# Allegro board pc051b_toplevel_177.brd (continued)
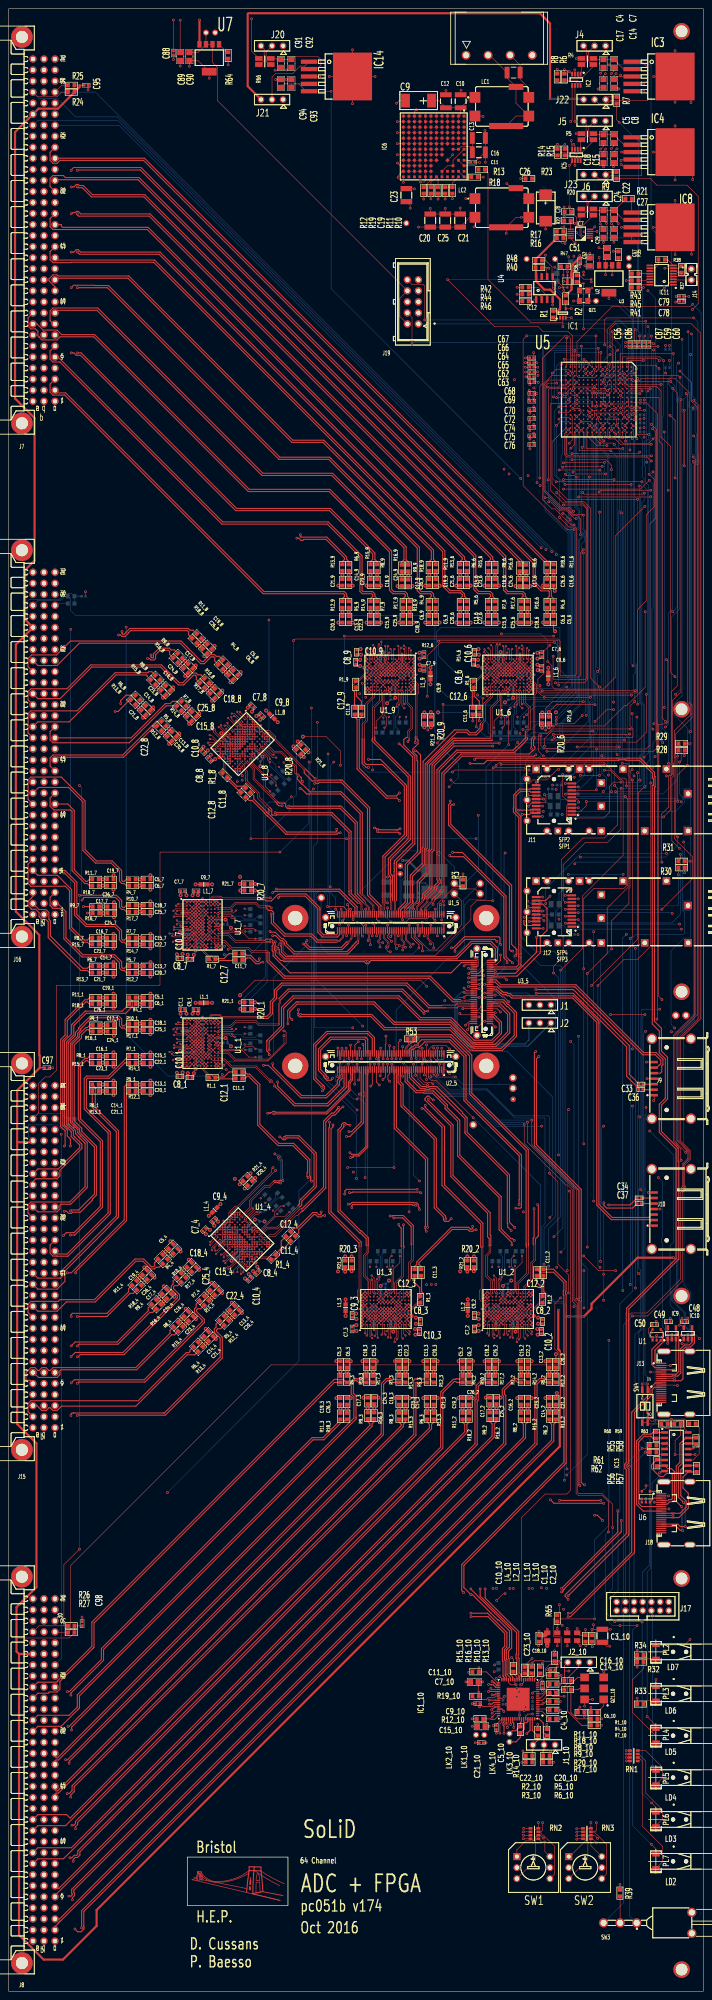
[diagram p0: board, top side]
## Nets (continued)
AIN-<2>_8: C26_8.2(B<0>) R18_8.2(B<0>) U1_8.C1(AIN2-)
AIN-<2>_9: C26_9.2(B<0>) R18_9.2(B<0>) U1_9.C1(AIN2-)
AIN-<3>_1: C25_1.2(B<0>) R17_1.2(B<0>) U1_1.E1(AIN3-)
AIN-<3>_2: C25_2.2(B<0>) R17_2.2(B<0>) U1_2.E1(AIN3-)
AIN-<3>_3: C25_3.2(B<0>) R17_3.2(B<0>) U1_3.E1(AIN3-)
AIN-<3>_4: C25_4.2(B<0>) R17_4.2(B<0>) U1_4.E1(AIN3-)
AIN-<3>_6: C25_6.2(B<0>) R17_6.2(B<0>) U1_6.E1(AIN3-)
AIN-<3>_7: C25_7.2(B<0>) R17_7.2(B<0>) U1_7.E1(AIN3-)
AIN-<3>_8: C25_8.2(B<0>) R17_8.2(B<0>) U1_8.E1(AIN3-)
AIN-<3>_9: C25_9.2(B<0>) R17_9.2(B<0>) U1_9.E1(AIN3-)
AIN-<4>_1: C24_1.2(B<0>) R16_1.2(B<0>) U1_1.G1(AIN4-)
AIN-<4>_2: C24_2.2(B<0>) R16_2.2(B<0>) U1_2.G1(AIN4-)
AIN-<4>_3: C24_3.2(B<0>) R16_3.2(B<0>) U1_3.G1(AIN4-)
AIN-<4>_4: C24_4.2(B<0>) R16_4.2(B<0>) U1_4.G1(AIN4-)
AIN-<4>_6: C24_6.2(B<0>) R16_6.2(B<0>) U1_6.G1(AIN4-)
AIN-<4>_7: C24_7.2(B<0>) R16_7.2(B<0>) U1_7.G1(AIN4-)
AIN-<4>_8: C24_8.2(B<0>) R16_8.2(B<0>) U1_8.G1(AIN4-)
AIN-<4>_9: C24_9.2(B<0>) R16_9.2(B<0>) U1_9.G1(AIN4-)
AIN-<5>_1: C23_1.2(B<0>) R15_1.2(B<0>) U1_1.H2(AIN5-)
AIN-<5>_2: C23_2.2(B<0>) R15_2.2(B<0>) U1_2.H2(AIN5-)
AIN-<5>_3: C23_3.2(B<0>) R15_3.2(B<0>) U1_3.H2(AIN5-)
AIN-<5>_4: C23_4.2(B<0>) R15_4.2(B<0>) U1_4.H2(AIN5-)
AIN-<5>_6: C23_6.2(B<0>) R15_6.2(B<0>) U1_6.H2(AIN5-)
AIN-<5>_7: C23_7.2(B<0>) R15_7.2(B<0>) U1_7.H2(AIN5-)
AIN-<5>_8: C23_8.2(B<0>) R15_8.2(B<0>) U1_8.H2(AIN5-)
AIN-<5>_9: C23_9.2(B<0>) R15_9.2(B<0>) U1_9.H2(AIN5-)
AIN-<6>_1: C22_1.2(B<0>) R14_1.2(B<0>) U1_1.K2(AIN6-)
AIN-<6>_2: C22_2.2(B<0>) R14_2.2(B<0>) U1_2.K2(AIN6-)
AIN-<6>_3: C22_3.2(B<0>) R14_3.2(B<0>) U1_3.K2(AIN6-)
AIN-<6>_4: C22_4.2(B<0>) R14_4.2(B<0>) U1_4.K2(AIN6-)
AIN-<6>_6: C22_6.2(B<0>) R14_6.2(B<0>) U1_6.K2(AIN6-)
AIN-<6>_7: C22_7.2(B<0>) R14_7.2(B<0>) U1_7.K2(AIN6-)
AIN-<6>_8: C22_8.2(B<0>) R14_8.2(B<0>) U1_8.K2(AIN6-)
AIN-<6>_9: C22_9.2(B<0>) R14_9.2(B<0>) U1_9.K2(AIN6-)
AIN-<7>_1: C21_1.2(B<0>) R13_1.2(B<0>) U1_1.M2(AIN7-)
AIN-<7>_2: C21_2.2(B<0>) R13_2.2(B<0>) U1_2.M2(AIN7-)
AIN-<7>_3: C21_3.2(B<0>) R13_3.2(B<0>) U1_3.M2(AIN7-)
AIN-<7>_4: C21_4.2(B<0>) R13_4.2(B<0>) U1_4.M2(AIN7-)
AIN-<7>_6: C21_6.2(B<0>) R13_6.2(B<0>) U1_6.M2(AIN7-)
AIN-<7>_7: C21_7.2(B<0>) R13_7.2(B<0>) U1_7.M2(AIN7-)
AIN-<7>_8: C21_8.2(B<0>) R13_8.2(B<0>) U1_8.M2(AIN7-)
AIN-<7>_9: C21_9.2(B<0>) R13_9.2(B<0>) U1_9.M2(AIN7-)
AIN-<8>_1: C20_1.2(B<0>) R12_1.2(B<0>) U1_1.N2(AIN8-)
AIN-<8>_2: C20_2.2(B<0>) R12_2.2(B<0>) U1_2.N2(AIN8-)
AIN-<8>_3: C20_3.2(B<0>) R12_3.2(B<0>) U1_3.N2(AIN8-)
AIN-<8>_4: C20_4.2(B<0>) R12_4.2(B<0>) U1_4.N2(AIN8-)
AIN-<8>_6: C20_6.2(B<0>) R12_6.2(B<0>) U1_6.N2(AIN8-)
AIN-<8>_7: C20_7.2(B<0>) R12_7.2(B<0>) U1_7.N2(AIN8-)
AIN-<8>_8: C20_8.2(B<0>) R12_8.2(B<0>) U1_8.N2(AIN8-)
AIN-<8>_9: C20_9.2(B<0>) R12_9.2(B<0>) U1_9.N2(AIN8-)
ANA_IN_N<0>: J7.A24(A<23>) R4_6.1(A<0>)
ANA_IN_N<1>: J7.C24(C<23>) R18_6.1(A<0>)
ANA_IN_N<2>: J7.A21(A<20>) R17_6.1(A<0>)
ANA_IN_N<3>: J7.C21(C<20>) R16_6.1(A<0>)
ANA_IN_N<4>: J7.A18(A<17>) R15_6.1(A<0>)
ANA_IN_N<5>: J7.C18(C<17>) R14_6.1(A<0>)
ANA_IN_N<6>: J7.A15(A<14>) R13_6.1(A<0>)
ANA_IN_N<7>: J7.C15(C<14>) R12_6.1(A<0>)
ANA_IN_N<8>: J7.A12(A<11>) R4_9.1(A<0>)
ANA_IN_N<9>: J7.C12(C<11>) R18_9.1(A<0>)
ANA_IN_N<10>: J7.A9(A<8>) R17_9.1(A<0>)
ANA_IN_N<11>: J7.C9(C<8>) R16_9.1(A<0>)
ANA_IN_N<12>: J7.A6(A<5>) R15_9.1(A<0>)
ANA_IN_N<13>: J7.C6(C<5>) R14_9.1(A<0>)
ANA_IN_N<14>: J7.A3(A<2>) R13_9.1(A<0>)
ANA_IN_N<15>: J7.C3(C<2>) R12_9.1(A<0>)
ANA_IN_N<16>: J16.A24(A<23>) R4_8.1(A<0>)
ANA_IN_N<17>: J16.C24(C<23>) R18_8.1(A<0>)
ANA_IN_N<18>: J16.A21(A<20>) R17_8.1(A<0>)
ANA_IN_N<19>: J16.C21(C<20>) R16_8.1(A<0>)
ANA_IN_N<20>: J16.A18(A<17>) R15_8.1(A<0>)
ANA_IN_N<21>: J16.C18(C<17>) R14_8.1(A<0>)
ANA_IN_N<22>: J16.A15(A<14>) R13_8.1(A<0>)
ANA_IN_N<23>: J16.C15(C<14>) R12_8.1(A<0>)
ANA_IN_N<24>: J16.A12(A<11>) R4_7.1(A<0>)
ANA_IN_N<25>: J16.C12(C<11>) R18_7.1(A<0>)
ANA_IN_N<26>: J16.A9(A<8>) R17_7.1(A<0>)
ANA_IN_N<27>: J16.C9(C<8>) R16_7.1(A<0>)
ANA_IN_N<28>: J16.A6(A<5>) R15_7.1(A<0>)
ANA_IN_N<29>: J16.C6(C<5>) R14_7.1(A<0>)
ANA_IN_N<30>: J16.A3(A<2>) R13_7.1(A<0>)
ANA_IN_N<31>: J16.C3(C<2>) R12_7.1(A<0>)
ANA_IN_N<32>: J15.A24(A<23>) R4_1.1(A<0>)
ANA_IN_N<33>: J15.C24(C<23>) R18_1.1(A<0>)
ANA_IN_N<34>: J15.A21(A<20>) R17_1.1(A<0>)
ANA_IN_N<35>: J15.C21(C<20>) R16_1.1(A<0>)
ANA_IN_N<36>: J15.A18(A<17>) R15_1.1(A<0>)
ANA_IN_N<37>: J15.C18(C<17>) R14_1.1(A<0>)
ANA_IN_N<38>: J15.A15(A<14>) R13_1.1(A<0>)
ANA_IN_N<39>: J15.C15(C<14>) R12_1.1(A<0>)
ANA_IN_N<40>: J15.A12(A<11>) R4_4.1(A<0>)
ANA_IN_N<41>: J15.C12(C<11>) R18_4.1(A<0>)
ANA_IN_N<42>: J15.A9(A<8>) R17_4.1(A<0>)
ANA_IN_N<43>: J15.C9(C<8>) R16_4.1(A<0>)
ANA_IN_N<44>: J15.A6(A<5>) R15_4.1(A<0>)
ANA_IN_N<45>: J15.C6(C<5>) R14_4.1(A<0>)
ANA_IN_N<46>: J15.A3(A<2>) R13_4.1(A<0>)
ANA_IN_N<47>: J15.C3(C<2>) R12_4.1(A<0>)
ANA_IN_N<48>: J8.A24(A<23>) R4_3.1(A<0>)
ANA_IN_N<49>: J8.C24(C<23>) R18_3.1(A<0>)
ANA_IN_N<50>: J8.A21(A<20>) R17_3.1(A<0>)
ANA_IN_N<51>: J8.C21(C<20>) R16_3.1(A<0>)
ANA_IN_N<52>: J8.A18(A<17>) R15_3.1(A<0>)
ANA_IN_N<53>: J8.C18(C<17>) R14_3.1(A<0>)
ANA_IN_N<54>: J8.A15(A<14>) R13_3.1(A<0>)
ANA_IN_N<55>: J8.C15(C<14>) R12_3.1(A<0>)
ANA_IN_N<56>: J8.A12(A<11>) R4_2.1(A<0>)
ANA_IN_N<57>: J8.C12(C<11>) R18_2.1(A<0>)
ANA_IN_N<58>: J8.A9(A<8>) R17_2.1(A<0>)
ANA_IN_N<59>: J8.C9(C<8>) R16_2.1(A<0>)
ANA_IN_N<60>: J8.A6(A<5>) R15_2.1(A<0>)
ANA_IN_N<61>: J8.C6(C<5>) R14_2.1(A<0>)
ANA_IN_N<62>: J8.A3(A<2>) R13_2.1(A<0>)
ANA_IN_N<63>: J8.C3(C<2>) R12_2.1(A<0>)
ANA_IN_P<0>: J7.A23(A<22>) R3_6.1(A<0>)
ANA_IN_P<1>: J7.C23(C<22>) R11_6.1(A<0>)
ANA_IN_P<2>: J7.A20(A<19>) R10_6.1(A<0>)
ANA_IN_P<3>: J7.C20(C<19>) R9_6.1(A<0>)
ANA_IN_P<4>: J7.A17(A<16>) R8_6.1(A<0>)
ANA_IN_P<5>: J7.C17(C<16>) R7_6.1(A<0>)
ANA_IN_P<6>: J7.A14(A<13>) R6_6.1(A<0>)
ANA_IN_P<7>: J7.C14(C<13>) R5_6.1(A<0>)
ANA_IN_P<8>: J7.A11(A<10>) R3_9.1(A<0>)
ANA_IN_P<9>: J7.C11(C<10>) R11_9.1(A<0>)
ANA_IN_P<10>: J7.A8(A<7>) R10_9.1(A<0>)
ANA_IN_P<11>: J7.C8(C<7>) R9_9.1(A<0>)
ANA_IN_P<12>: J7.A5(A<4>) R8_9.1(A<0>)
ANA_IN_P<13>: J7.C5(C<4>) R7_9.1(A<0>)
ANA_IN_P<14>: J7.A2(A<1>) R6_9.1(A<0>)
ANA_IN_P<15>: J7.C2(C<1>) R5_9.1(A<0>)
ANA_IN_P<16>: J16.A23(A<22>) R3_8.1(A<0>)
ANA_IN_P<17>: J16.C23(C<22>) R11_8.1(A<0>)
ANA_IN_P<18>: J16.A20(A<19>) R10_8.1(A<0>)
ANA_IN_P<19>: J16.C20(C<19>) R9_8.1(A<0>)
ANA_IN_P<20>: J16.A17(A<16>) R8_8.1(A<0>)
ANA_IN_P<21>: J16.C17(C<16>) R7_8.1(A<0>)
ANA_IN_P<22>: J16.A14(A<13>) R6_8.1(A<0>)
ANA_IN_P<23>: J16.C14(C<13>) R5_8.1(A<0>)
ANA_IN_P<24>: J16.A11(A<10>) R3_7.1(A<0>)
ANA_IN_P<25>: J16.C11(C<10>) R11_7.1(A<0>)
ANA_IN_P<26>: J16.A8(A<7>) R10_7.1(A<0>)
ANA_IN_P<27>: J16.C8(C<7>) R9_7.1(A<0>)
ANA_IN_P<28>: J16.A5(A<4>) R8_7.1(A<0>)
ANA_IN_P<29>: J16.C5(C<4>) R7_7.1(A<0>)
ANA_IN_P<30>: J16.A2(A<1>) R6_7.1(A<0>)
ANA_IN_P<31>: J16.C2(C<1>) R5_7.1(A<0>)
ANA_IN_P<32>: J15.A23(A<22>) R3_1.1(A<0>)
ANA_IN_P<33>: J15.C23(C<22>) R11_1.1(A<0>)
ANA_IN_P<34>: J15.A20(A<19>) R10_1.1(A<0>)
ANA_IN_P<35>: J15.C20(C<19>) R9_1.1(A<0>)
ANA_IN_P<36>: J15.A17(A<16>) R8_1.1(A<0>)
ANA_IN_P<37>: J15.C17(C<16>) R7_1.1(A<0>)
ANA_IN_P<38>: J15.A14(A<13>) R6_1.1(A<0>)
ANA_IN_P<39>: J15.C14(C<13>) R5_1.1(A<0>)
ANA_IN_P<40>: J15.A11(A<10>) R3_4.1(A<0>)
ANA_IN_P<41>: J15.C11(C<10>) R11_4.1(A<0>)
ANA_IN_P<42>: J15.A8(A<7>) R10_4.1(A<0>)
ANA_IN_P<43>: J15.C8(C<7>) R9_4.1(A<0>)
ANA_IN_P<44>: J15.A5(A<4>) R8_4.1(A<0>)
ANA_IN_P<45>: J15.C5(C<4>) R7_4.1(A<0>)
ANA_IN_P<46>: J15.A2(A<1>) R6_4.1(A<0>)
ANA_IN_P<47>: J15.C2(C<1>) R5_4.1(A<0>)
ANA_IN_P<48>: J8.A23(A<22>) R3_3.1(A<0>)
ANA_IN_P<49>: J8.C23(C<22>) R11_3.1(A<0>)
ANA_IN_P<50>: J8.A20(A<19>) R10_3.1(A<0>)
ANA_IN_P<51>: J8.C20(C<19>) R9_3.1(A<0>)
ANA_IN_P<52>: J8.A17(A<16>) R8_3.1(A<0>)
ANA_IN_P<53>: J8.C17(C<16>) R7_3.1(A<0>)
ANA_IN_P<54>: J8.A14(A<13>) R6_3.1(A<0>)
ANA_IN_P<55>: J8.C14(C<13>) R5_3.1(A<0>)
ANA_IN_P<56>: J8.A11(A<10>) R3_2.1(A<0>)
ANA_IN_P<57>: J8.C11(C<10>) R11_2.1(A<0>)
ANA_IN_P<58>: J8.A8(A<7>) R10_2.1(A<0>)
ANA_IN_P<59>: J8.C8(C<7>) R9_2.1(A<0>)
ANA_IN_P<60>: J8.A5(A<4>) R8_2.1(A<0>)
ANA_IN_P<61>: J8.C5(C<4>) R7_2.1(A<0>)
ANA_IN_P<62>: J8.A2(A<1>) R6_2.1(A<0>)
ANA_IN_P<63>: J8.C2(C<1>) R5_2.1(A<0>)
BUS_SELECT<0>: U1_5.86(B14_L18*) U5.C1(BUS_SELECT<0>)
BUS_SELECT<1>: U3_5.52(B14_L20) U5.B1(BUS_SELECT<1>)
BUS_SELECT<2>: U3_5.54(B14_L20*) U5.A2(BUS_SELECT<2>)
BUS_SELECT<3>: U1_5.91(B14_L24) U5.A3(BUS_SELECT<3>)
BUS_SELECT<4>: U1_5.100(B14_L24*) U5.B9(BUS_SELECT<4>)
BUSY_3V3: U1.5(D) U2_5.28(B14_L13*)
BUSY_OUT_N: J13.3(A<2>) U1.3(Z)
BUSY_OUT_P: J13.1(A<0>) U1.4(Y)
CLK9_N_10: IC1_10.58(OUT9*) IC1_10.62(IN3/FB_IN*) LK3_10.1(A<0>) R14_10.1(A<0>)
CLK9_P_10: IC1_10.59(OUT9) IC1_10.61(IN3/FB_IN) LK4_10.1(A<0>) R14_10.2(B<0>)
CLK40_IN_N: C20_10.2(B<0>) J13.12(A<11>)
CLK40_IN_P: C22_10.2(B<0>) J13.10(A<9>)
CLK+_1: C11_1.2(B<0>) R1_1.2(B<0>) U1_1.P5(CLK+)
CLK+_2: C11_2.2(B<0>) R1_2.2(B<0>) U1_2.P5(CLK+)
CLK+_3: C11_3.2(B<0>) R1_3.2(B<0>) U1_3.P5(CLK+)
CLK+_4: C11_4.2(B<0>) R1_4.2(B<0>) U1_4.P5(CLK+)
CLK+_6: C11_6.2(B<0>) R1_6.2(B<0>) U1_6.P5(CLK+)
CLK+_7: C11_7.2(B<0>) R1_7.2(B<0>) U1_7.P5(CLK+)
CLK+_8: C11_8.2(B<0>) R1_8.2(B<0>) U1_8.P5(CLK+)
CLK+_9: C11_9.2(B<0>) R1_9.2(B<0>) U1_9.P5(CLK+)
CLK-_1: C12_1.2(B<0>) R1_1.1(A<0>) U1_1.P6(CLK-)
CLK-_2: C12_2.2(B<0>) R1_2.1(A<0>) U1_2.P6(CLK-)
CLK-_3: C12_3.2(B<0>) R1_3.1(A<0>) U1_3.P6(CLK-)
CLK-_4: C12_4.2(B<0>) R1_4.1(A<0>) U1_4.P6(CLK-)
CLK-_6: C12_6.2(B<0>) R1_6.1(A<0>) U1_6.P6(CLK-)
CLK-_7: C12_7.2(B<0>) R1_7.1(A<0>) U1_7.P6(CLK-)
CLK-_8: C12_8.2(B<0>) R1_8.1(A<0>) U1_8.P6(CLK-)
CLK-_9: C12_9.2(B<0>) R1_9.1(A<0>) U1_9.P6(CLK-)
CLK_CPLD_TTL: LK16.1(A<0>) QZ1.3(OUT) U5.P5(CLK)
CLK_GEN_INTR_3V3*: IC1_10.12(INTR*) R65.1(A<0>)
CLK_GEN_LOL*: IC1_10.47(LOL*) U2_5.24(B14_L14*)
CLK_GEN_RST_3V3*: IC1_10.6(RST*) R9_10.1(A<0>) U2_5.22(B14_L14)
CLK_GEN_SCL_1V8: IC1_10.16(SCLK) R11_10.1(A<0>) U5.J3(SCL_TO_I2C<9>)
CLK_GEN_SDA_1V8: IC1_10.18(SDA/SDIO) R10_10.1(A<0>) U5.K3(SDA_I2C<9>)
CLK_IN_AC_N_10: C20_10.1(A<0>) IC1_10.64(IN0*) J1_10.2(A<1>) R5_10.1(A<0>) R6_10.2(B<0>)
CLK_IN_AC_P_10: C22_10.1(A<0>) IC1_10.63(IN0) J1_10.3(A<2>) R2_10.1(A<0>) R3_10.2(B<0>)
CLK_N<0>: C12_6.1(A<0>) IC1_10.53(OUT8*)
CLK_N<1>: C12_9.1(A<0>) IC1_10.44(OUT6*)
CLK_N<2>: C12_8.1(A<0>) IC1_10.30(OUT2*)
CLK_N<3>: C12_7.1(A<0>) IC1_10.50(OUT7*)
CLK_N<4>: C12_1.1(A<0>) IC1_10.41(OUT5*)
CLK_N<5>: C12_4.1(A<0>) IC1_10.37(OUT4*)
CLK_N<6>: C12_3.1(A<0>) IC1_10.23(OUT0*)
CLK_N<7>: C12_2.1(A<0>) IC1_10.27(OUT1*)
CLK_N<8>: IC1_10.34(OUT3*) U3_5.57(B13_L12)
CLK_P<0>: C11_6.1(A<0>) IC1_10.54(OUT8)
CLK_P<1>: C11_9.1(A<0>) IC1_10.45(OUT6)
CLK_P<2>: C11_8.1(A<0>) IC1_10.31(OUT2)
CLK_P<3>: C11_7.1(A<0>) IC1_10.51(OUT7)
CLK_P<4>: C11_1.1(A<0>) IC1_10.42(OUT5)
CLK_P<5>: C11_4.1(A<0>) IC1_10.38(OUT4)
CLK_P<6>: C11_3.1(A<0>) IC1_10.24(OUT0)
CLK_P<7>: C11_2.1(A<0>) IC1_10.28(OUT1)
CLK_P<8>: IC1_10.35(OUT3) U3_5.59(B13_L12*)
CPLD_TDO: J17.8(A<7>) U5.A10(TDO) U6.5(D)
EXT_TEMP_ENABLE: R64.2(B<0>) U5.G15(GPIO<9>)
EXT_TEMP_SCL<0>: J19.4(A<3>) U5.B13(SCL_TO_I2C<7>)
EXT_TEMP_SCL<1>: J19.10(A<9>) U5.B15(SCL_TO_I2C<8>)
EXT_TEMP_SDA<0>: J19.1(A<0>) U5.B14(SDA_I2C<7>)
EXT_TEMP_SDA<1>: J19.7(A<6>) U5.D15(SDA_I2C<8>)
EXTERNAL_SCL<0>: J7.C29(C<28>) R25.1(A<0>) U5.A11(SCL_TO_I2C<0>)
EXTERNAL_SCL<1>: J16.C29(C<28>) R52.1(A<0>) U5.A13(SCL_TO_I2C<1>)
EXTERNAL_SCL<2>: J15.C29(C<28>) R50.1(A<0>) U5.A15(SCL_TO_I2C<2>)
EXTERNAL_SCL<3>: J8.C29(C<28>) R27.1(A<0>) U5.B16(SCL_TO_I2C<3>)
EXTERNAL_SDA<0>: J7.A29(A<28>) R24.1(A<0>) U5.A12(SDA_I2C<0>)
EXTERNAL_SDA<1>: J16.A29(A<28>) R51.1(A<0>) U5.A14(SDA_I2C<1>)
EXTERNAL_SDA<2>: J15.A29(A<28>) R49.1(A<0>) U5.A16(SDA_I2C<2>)
EXTERNAL_SDA<3>: J8.A29(A<28>) R26.1(A<0>) U5.C16(SDA_I2C<3>)
FPGA_JTAG_VREF: U2_5.92(3.3V_JTAG)
FPGA_LEDS<0>: LD4.1(A) U2_5.21(B14_L12)
FPGA_LEDS<1>: LD3.1(A) U2_5.26(B14_L13)
FPGA_LEDS<2>: LD2.1(A) U2_5.23(B14_L12*)
FPGA_POWER_ENABLE: J21.1(A<0>) LK3.1(A<0>) U1_5.27(EN1) U5.B3(FPGA_POWER_ENABLE_O)
FPGA_TDI: J17.10(A<9>) R63.2(B<0>) U2_5.96(TDI)
FPGA_TDO_CPLD_TDI: U2_5.98(TDO) U5.R11(TDI)
GPIO<0>: J7.A26(A<25>) U5.E14(GPIO<0>)
GPIO<1>: J16.A26(A<25>) U5.F14(GPIO<1>)
GPIO<2>: J15.A26(A<25>) U5.G14(GPIO<2>)
GPIO<3>: J8.A26(A<25>) U5.H14(GPIO<3>)
GPIO<4>: J7.C26(C<25>) U5.B8(GPIO<4>)
GPIO<5>: J16.C26(C<25>) U5.F15(GPIO<5>)
GPIO<6>: J15.C26(C<25>) U5.H15(GPIO<6>)
GPIO<7>: J8.C26(C<25>) U5.B10(GPIO<7>)
GPIO<8>: U5.E15(GPIO<8>)
HDMI_PGOOD: IC13.13(ROUT<0>) U5.C7(PGOOD_FROM_HDMI_I)
HDMI_PGOOD_N: IC13.15(RIN*<0>) J18.16(A<15>) R58.1(A<0>)
HDMI_PGOOD_P: IC13.14(RIN<0>) J18.15(A<14>) R58.2(B<0>)
HDMI_TCK_N: IC13.7(RIN*<0>) J18.6(A<5>) R56.1(A<0>)
HDMI_TCK_P: IC13.6(RIN<0>) J18.4(A<3>) R56.2(B<0>)
HDMI_TDI_N: IC13.9(RIN*<0>) J18.12(A<11>) R57.1(A<0>)
HDMI_TDI_P: IC13.10(RIN<0>) J18.10(A<9>) R57.2(B<0>)
HDMI_TDO_N: J18.3(A<2>) U6.3(Z)
HDMI_TDO_P: J18.1(A<0>) U6.4(Y)
HDMI_TMS_N: IC13.1(RIN*<0>) J18.9(A<8>) R55.1(A<0>)
HDMI_TMS_P: IC13.2(RIN<0>) J18.7(A<6>) R55.2(B<0>)
I2C_SCL_FROM_FPGA: U2_5.18(B14_L17) U5.A9(SCL_FROM_FPGA)
I2C_SDA_FROM_FPGA: U2_5.16(B14_L17*) U5.A7(SDA_OUT_FROM_FPGA)
I2C_SDA_TO_FPGA: U1_5.88(B14_L18) U5.A8(SDA_IN_TO_FPGA)
IP_ADDRESS_SELECT<0>: RN3.8(B<0>) SW2.1(S<0>) U2_5.14(B14_L8)
IP_ADDRESS_SELECT<1>: RN3.7(B<0>) SW2.2(S<1>) U1_5.92(B14_L9)
IP_ADDRESS_SELECT<2>: RN3.6(B<0>) SW2.4(S<2>) U2_5.15(B14_L10)
IP_ADDRESS_SELECT<3>: RN3.5(B<0>) SW2.8(S<3>) U2_5.25(B14_L11)
IP_ADDRESS_SELECT<4>: RN2.8(B<0>) SW1.1(S<0>) U2_5.12(B14_L8*)
IP_ADDRESS_SELECT<5>: RN2.7(B<0>) SW1.2(S<1>) U1_5.94(B14_L9*)
IP_ADDRESS_SELECT<6>: RN2.6(B<0>) SW1.4(S<2>) U2_5.13(B14_L10*)
IP_ADDRESS_SELECT<7>: RN2.5(B<0>) SW1.8(S<3>) U2_5.27(B14_L11*)
JTAGEN: LK4.1(A<0>) R3.1(A<0>) U1_5.90(JTAGEN) U5.B4(FPGA_EN1)
MGT_CLK_N: J2.1(A<0>) U3_5.32(MGT_CLK1*)
MGT_CLK_P: J2.3(A<2>) U3_5.34(MGT_CLK1)
MGT_RX_N<0>: J11.12(RD-) U3_5.7(MGT_RX0*)
MGT_RX_N<1>: J12.12(RD-) U3_5.13(MGT_RX1*)
MGT_RX_N<2>: J9.5(A<4>) U3_5.19(MGT_RX2*)
MGT_RX_N<3>: J10.3(A<2>) U3_5.25(MGT_RX3*)
MGT_RX_P<0>: J11.13(RD+) U3_5.9(MGT_RX0)
MGT_RX_P<1>: J12.13(RD+) U3_5.15(MGT_RX1)
MGT_RX_P<2>: J9.6(A<5>) U3_5.21(MGT_RX2)
MGT_RX_P<3>: J10.2(A<1>) U3_5.27(MGT_RX3)
MGT_TX_N<0>: J11.19(TD-) U3_5.8(MGT_TX0*)
MGT_TX_N<1>: J12.19(TD-) U3_5.14(MGT_TX1*)
MGT_TX_N<2>: C33.2(B<0>) U3_5.20(MGT_TX2*)
MGT_TX_N<3>: C37.2(B<0>) U3_5.26(MGT_TX3*)
MGT_TX_P<0>: J11.18(TD+) U3_5.10(MGT_TX0)
MGT_TX_P<1>: J12.18(TD+) U3_5.16(MGT_TX1)
MGT_TX_P<2>: C36.2(B<0>) U3_5.22(MGT_TX2)
MGT_TX_P<3>: C34.2(B<0>) U3_5.28(MGT_TX3)
MODE: LK5.1(A<0>) U1_5.31(MODE)
NOSEQ: LK6.1(A<0>) U1_5.8(NOSEQ)
OUT_N<0>: U1_5.15(B13_L6*) U1_6.E7(OUT1A-)
OUT_N<1>: U1_5.20(B13_L3*) U1_6.B8(OUT2A-)
OUT_N<2>: U1_5.21(B13_L5*) U1_6.D10(OUT3A-)
OUT_N<3>: U1_5.22(B13_L11*) U1_6.C9(OUT4A-)
OUT_N<4>: U1_5.26(B13_L9*) U1_6.J8(OUT5A-)
OUT_N<5>: U1_5.34(B16_L22*) U1_6.K9(OUT6A-)
OUT_N<6>: U1_5.37(B16_L16*) U1_6.M7(OUT7A-)
OUT_N<7>: U1_5.36(B16_L24*) U1_6.L8(OUT8A-)
OUT_N<8>: U1_5.39(B16_L19*) U1_9.E7(OUT1A-)
OUT_N<9>: U1_5.44(B16_L23*) U1_9.B8(OUT2A-)
OUT_N<10>: U1_5.45(B16_L17*) U1_9.D10(OUT3A-)
OUT_N<11>: U1_5.48(B16_L15*) U1_9.C9(OUT4A-)
OUT_N<12>: U1_5.49(B16_L18*) U1_9.J8(OUT5A-)
OUT_N<13>: U1_5.52(B16_L20*) U1_9.K9(OUT6A-)
OUT_N<14>: U1_5.55(B16_L9*) U1_9.M7(OUT7A-)
OUT_N<15>: U1_5.58(B16_L21*) U1_9.L8(OUT8A-)
OUT_N<16>: U1_5.59(B16_L7*) U1_8.E7(OUT1A-)
OUT_N<17>: U1_5.62(B16_L13*) U1_8.B8(OUT2A-)
OUT_N<18>: U1_5.67(B16_L11*) U1_8.D10(OUT3A-)
OUT_N<19>: U1_5.68(B16_L14*) U1_8.C9(OUT4A-)
OUT_N<20>: U1_5.69(B16_L10*) U1_8.J8(OUT5A-)
OUT_N<21>: U1_5.70(B16_L3*) U1_8.K9(OUT6A-)
OUT_N<22>: U1_5.75(B16_L5*) U1_8.M7(OUT7A-)
OUT_N<23>: U1_5.78(B16_L12*) U1_8.L8(OUT8A-)
OUT_N<24>: U1_5.82(B16_L8*) U1_7.E7(OUT1A-)
OUT_N<25>: U1_5.97(B16_L1*) U1_7.B8(OUT2A-)
OUT_N<26>: U1_5.85(B16_L6*) U1_7.D10(OUT3A-)
OUT_N<27>: U1_5.93(B16_L4*) U1_7.C9(OUT4A-)
OUT_N<28>: U1_5.79(B16_L2*) U1_7.J8(OUT5A-)
OUT_N<29>: U1_7.K9(OUT6A-) U3_5.2(B13_L17)
OUT_N<30>: U1_7.M7(OUT7A-) U3_5.1(B13_L14)
OUT_N<31>: U1_7.L8(OUT8A-) U3_5.38(B13_L10)
OUT_N<32>: U1_1.E7(OUT1A-) U3_5.37(B13_L16)
OUT_N<33>: U1_1.B8(OUT2A-) U3_5.42(B13_L15)
OUT_N<34>: U1_1.D10(OUT3A-) U3_5.41(B13_L1)
OUT_N<35>: U1_1.C9(OUT4A-) U3_5.47(B13_L4)
OUT_N<36>: U1_1.J8(OUT5A-) U3_5.53(B13_L2)
OUT_N<37>: U1_1.K9(OUT6A-) U3_5.58(B13_L13)
OUT_N<38>: U1_1.M7(OUT7A-) U2_5.95(B15_L22*)
OUT_N<39>: U1_1.L8(OUT8A-) U2_5.91(B15_L24*)
OUT_N<40>: U1_4.E7(OUT1A-) U2_5.87(B15_L21*)
OUT_N<41>: U1_4.B8(OUT2A-) U2_5.86(B15_L5*)
OUT_N<42>: U1_4.D10(OUT3A-) U2_5.81(B15_L6*)
OUT_N<43>: U1_4.C9(OUT4A-) U2_5.84(B15_L4*)
OUT_N<44>: U1_4.J8(OUT5A-) U2_5.77(B15_L15*)
OUT_N<45>: U1_4.K9(OUT6A-) U2_5.76(B15_L2*)
OUT_N<46>: U1_4.M7(OUT7A-) U2_5.73(B15_L20*)
OUT_N<47>: U1_4.L8(OUT8A-) U2_5.74(B15_L1*)
OUT_N<48>: U1_3.E7(OUT1A-) U2_5.67(B15_L18*)
OUT_N<49>: U1_3.B8(OUT2A-) U2_5.68(B15_L16*)
OUT_N<50>: U1_3.D10(OUT3A-) U2_5.61(B15_L10*)
OUT_N<51>: U1_3.C9(OUT4A-) U2_5.62(B15_L17*)
OUT_N<52>: U1_3.J8(OUT5A-) U2_5.57(B15_L12*)
OUT_N<53>: U1_3.K9(OUT6A-) U2_5.58(B15_L3*)
OUT_N<54>: U1_3.M7(OUT7A-) U2_5.53(B15_L14*)
OUT_N<55>: U1_3.L8(OUT8A-) U2_5.54(B15_L11*)
OUT_N<56>: U1_2.E7(OUT1A-) U2_5.47(B15_L13*)
OUT_N<57>: U1_2.B8(OUT2A-) U2_5.48(B15_L19*)
OUT_N<58>: U1_2.D10(OUT3A-) U2_5.41(B15_L7*)
OUT_N<59>: U1_2.C9(OUT4A-) U2_5.44(B15_L23*)
OUT_N<60>: U1_2.J8(OUT5A-) U2_5.35(B15_L8*)
OUT_N<61>: R53.1(A<0>) U1_2.K9(OUT6A-) U2_5.38(B14_L15*)
OUT_N<62>: U1_2.M7(OUT7A-) U2_5.31(B15_L9*)
OUT_N<63>: R54.1(A<0>) U1_2.L8(OUT8A-) U2_5.34(B14_L16*)
OUT_P<0>: U1_5.17(B13_L6) U1_6.E8(OUT1A+)
OUT_P<1>: U1_5.18(B13_L3) U1_6.A8(OUT2A+)
OUT_P<2>: U1_5.23(B13_L5) U1_6.D9(OUT3A+)
OUT_P<3>: U1_5.24(B13_L11) U1_6.C10(OUT4A+)
OUT_P<4>: U1_5.28(B13_L9) U1_6.J7(OUT5A+)
OUT_P<5>: U1_5.32(B16_L22) U1_6.K10(OUT6A+)
OUT_P<6>: U1_5.35(B16_L16) U1_6.L7(OUT7A+)
OUT_P<7>: U1_5.38(B16_L24) U1_6.M8(OUT8A+)
OUT_P<8>: U1_5.41(B16_L19) U1_9.E8(OUT1A+)
OUT_P<9>: U1_5.42(B16_L23) U1_9.A8(OUT2A+)
OUT_P<10>: U1_5.47(B16_L17) U1_9.D9(OUT3A+)
OUT_P<11>: U1_5.46(B16_L15) U1_9.C10(OUT4A+)
OUT_P<12>: U1_5.51(B16_L18) U1_9.J7(OUT5A+)
OUT_P<13>: U1_5.50(B16_L20) U1_9.K10(OUT6A+)
OUT_P<14>: U1_5.57(B16_L9) U1_9.L7(OUT7A+)
OUT_P<15>: U1_5.56(B16_L21) U1_9.M8(OUT8A+)
OUT_P<16>: U1_5.61(B16_L7) U1_8.E8(OUT1A+)
OUT_P<17>: U1_5.60(B16_L13) U1_8.A8(OUT2A+)
OUT_P<18>: U1_5.65(B16_L11) U1_8.D9(OUT3A+)
OUT_P<19>: U1_5.66(B16_L14) U1_8.C10(OUT4A+)
OUT_P<20>: U1_5.71(B16_L10) U1_8.J7(OUT5A+)
OUT_P<21>: U1_5.72(B16_L3) U1_8.K10(OUT6A+)
OUT_P<22>: U1_5.77(B16_L5) U1_8.L7(OUT7A+)
OUT_P<23>: U1_5.76(B16_L12) U1_8.M8(OUT8A+)
OUT_P<24>: U1_5.84(B16_L8) U1_7.E8(OUT1A+)
OUT_P<25>: U1_5.99(B16_L1) U1_7.A8(OUT2A+)
OUT_P<26>: U1_5.87(B16_L6) U1_7.D9(OUT3A+)
OUT_P<27>: U1_5.95(B16_L4) U1_7.C10(OUT4A+)
OUT_P<28>: U1_5.81(B16_L2) U1_7.J7(OUT5A+)
OUT_P<29>: U1_7.K10(OUT6A+) U3_5.4(B13_L17*)
OUT_P<30>: U1_7.L7(OUT7A+) U3_5.3(B13_L14*)
OUT_P<31>: U1_7.M8(OUT8A+) U3_5.40(B13_L10*)
OUT_P<32>: U1_1.E8(OUT1A+) U3_5.39(B13_L16*)
OUT_P<33>: U1_1.A8(OUT2A+) U3_5.44(B13_L15*)
OUT_P<34>: U1_1.D9(OUT3A+) U3_5.43(B13_L1*)
OUT_P<35>: U1_1.C10(OUT4A+) U3_5.49(B13_L4*)
OUT_P<36>: U1_1.J7(OUT5A+) U3_5.51(B13_L2*)
OUT_P<37>: U1_1.K10(OUT6A+) U3_5.60(B13_L13*)
OUT_P<38>: U1_1.L7(OUT7A+) U2_5.97(B15_L22)
OUT_P<39>: U1_1.M8(OUT8A+) U2_5.93(B15_L24)
OUT_P<40>: U1_4.E8(OUT1A+) U2_5.85(B15_L21)
OUT_P<41>: U1_4.A8(OUT2A+) U2_5.88(B15_L5)
OUT_P<42>: U1_4.D9(OUT3A+) U2_5.83(B15_L6)
OUT_P<43>: U1_4.C10(OUT4A+) U2_5.82(B15_L4)
OUT_P<44>: U1_4.J7(OUT5A+) U2_5.75(B15_L15)
OUT_P<45>: U1_4.K10(OUT6A+) U2_5.78(B15_L2)
OUT_P<46>: U1_4.L7(OUT7A+) U2_5.71(B15_L20)
OUT_P<47>: U1_4.M8(OUT8A+) U2_5.72(B15_L1)
OUT_P<48>: U1_3.E8(OUT1A+) U2_5.65(B15_L18)
OUT_P<49>: U1_3.A8(OUT2A+) U2_5.66(B15_L16)
OUT_P<50>: U1_3.D9(OUT3A+) U2_5.63(B15_L10)
OUT_P<51>: U1_3.C10(OUT4A+) U2_5.64(B15_L17)
OUT_P<52>: U1_3.J7(OUT5A+) U2_5.55(B15_L12)
OUT_P<53>: U1_3.K10(OUT6A+) U2_5.56(B15_L3)
OUT_P<54>: U1_3.L7(OUT7A+) U2_5.51(B15_L14)
OUT_P<55>: U1_3.M8(OUT8A+) U2_5.52(B15_L11)
OUT_P<56>: U1_2.E8(OUT1A+) U2_5.45(B15_L13)
OUT_P<57>: U1_2.A8(OUT2A+) U2_5.46(B15_L19)
OUT_P<58>: U1_2.D9(OUT3A+) U2_5.43(B15_L7)
OUT_P<59>: U1_2.C10(OUT4A+) U2_5.42(B15_L23)
OUT_P<60>: U1_2.J7(OUT5A+) U2_5.37(B15_L8)
OUT_P<61>: R53.2(B<0>) U1_2.K10(OUT6A+) U2_5.36(B14_L15)
OUT_P<62>: U1_2.L7(OUT7A+) U2_5.33(B15_L9)
OUT_P<63>: R54.2(B<0>) U1_2.M8(OUT8A+) U2_5.32(B14_L16)
PGOOD: IC1.2(A) R1.1(A<0>) R13.1(A<0>) U5.F3(PGOOD_O)
PGOOD3V3: R7.1(A<0>) U5.B7(PGOOD3V3_O)
PGOOD_5V: IC1.4(Y) R2.1(A<0>) R9.1(A<0>)
PGOOD_FROM_FPGA: LK2.1(A<0>) U1_5.29(PGOOD) U5.B6(PGOOD_FROM_FPGA_I)
POR_I: R36.1(A<0>) U2.2(RS*) U5.D3(POR_I)
POWER_SWITCH_HIGH_OFF: SW3.3(C) U5.E3(POWER_SWITCH_HIGH_OFF)
POWER_SWITCH_HIGH_ON: SW3.1(B) U5.C3(POWER_SWITCH_HIGH_ON)
PSG: C9.2(B<0>) C10.1(A<0>) C11.1(A<0>) C12.1(A<0>) C13.1(A<0>) C16.1(A<0>) C20.1(A<0>) C21.1(A<0>) C23.1(A<0>) C25.1(A<0>) IC6.D1(PGND<40>) IC6.D2(PGND<39>) IC6.D3(PGND<38>) IC6.D4(PGND<37>) IC6.D5(PGND<36>) IC6.D6(PGND<35>) IC6.D9(SGND<1>) IC6.E1(PGND<34>) IC6.E2(PGND<33>) IC6.E3(PGND<32>) IC6.E4(PGND<31>) IC6.E5(PGND<30>) IC6.E6(PGND<29>) IC6.E7(PGND<28>) IC6.E8(PGND<27>) IC6.F1(PGND<26>) IC6.F2(PGND<25>) IC6.F3(PGND<24>) IC6.F4(PGND<23>) IC6.F5(PGND<22>) IC6.F6(PGND<21>) IC6.F7(PGND<20>) IC6.F8(PGND<19>) IC6.F9(PGND<18>) IC6.G1(PGND<17>) IC6.G2(PGND<16>) IC6.G3(PGND<15>) IC6.G4(PGND<14>) IC6.G5(PGND<13>) IC6.G6(PGND<12>) IC6.G7(PGND<11>) IC6.G8(PGND<10>) IC6.G9(PGND<9>) IC6.G10(PGND<41>) IC6.G11(PGND<42>) IC6.H1(PGND<8>) IC6.H2(PGND<7>) IC6.H3(PGND<6>) IC6.H4(PGND<5>) IC6.H5(PGND<4>) IC6.H6(PGND<3>) IC6.H7(PGND<2>) IC6.H8(PGND<1>) IC6.H9(PGND<0>) IC6.H10(PGND<44>) IC6.H11(PGND<43>) IC6.H12(SGND<0>) IC6.M12(FCB) LC1.3(PSG) LC2.3(PSG) R10.1(A<0>) R18.1(A<0>) R19.1(A<0>)
RESIN: LK7.1(A<0>) U2_5.17(RESIN) U5.B5(FPGA_RESIN)
SENSE_1: R2_1.1(A<0>) R19_1.2(B<0>) U1_1.C5(SENSE)
SENSE_2: R2_2.1(A<0>) R19_2.2(B<0>) U1_2.C5(SENSE)
SENSE_3: R2_3.1(A<0>) R19_3.2(B<0>) U1_3.C5(SENSE)
SENSE_4: R2_4.1(A<0>) R19_4.2(B<0>) U1_4.C5(SENSE)
SENSE_6: R2_6.1(A<0>) R19_6.2(B<0>) U1_6.C5(SENSE)
SENSE_7: R2_7.1(A<0>) R19_7.2(B<0>) U1_7.C5(SENSE)
SENSE_8: R2_8.1(A<0>) R19_8.2(B<0>) U1_8.C5(SENSE)
SENSE_9: R2_9.1(A<0>) R19_9.2(B<0>) U1_9.C5(SENSE)
SERV_SCL: IC2.5(SCL) IC5.5(SCL) IC7.7(SCL) IC12.6(SCL) R23.1(A<0>) R40.1(A<0>) U5.B11(SCL_TO_I2C<6>)
SERV_SDA: IC2.6(SDA) IC5.6(SDA) IC7.6(SDA) IC12.5(SDA) R22.1(A<0>) R48.1(A<0>) U5.B12(SDA_I2C<6>)
SFP0_RATE_SELECT: J11.7(RATE_SELECT/RS0) R28.2(B<0>)
SFP0_TX_DISABLE: J11.3(TX_DISABLE) R29.1(A<0>)
SFP1_RATE_SELECT: J12.7(RATE_SELECT/RS0) R30.2(B<0>)
SFP1_TX_DISABLE: J12.3(TX_DISABLE) R31.1(A<0>)
SFP_LOS<0>: J11.8(LOS) U5.E2(SFP_LOS<0>)
SFP_LOS<1>: J12.8(LOS) U5.H2(SFP_LOS<1>)
SFP_PRESENT<0>: J11.6(MOD_DEF0/MOD_ABS) U5.D2(SFP_PRESENT<0>)
SFP_PRESENT<1>: J12.6(MOD_DEF0/MOD_ABS) U5.G3(SFP_PRESENT<1>)
SFP_SCL<0>: J11.5(MOD_DEF1/SCL) U5.E16(SCL_TO_I2C<4>)
SFP_SCL<1>: J12.5(MOD_DEF1/SCL) U5.G16(SCL_TO_I2C<5>)
SFP_SDA<0>: J11.4(MOD_DEF2/SDA) U5.F16(SDA_I2C<4>)
SFP_SDA<1>: J12.4(MOD_DEF2/SDA) U5.H16(SDA_I2C<5>)
SFP_TX_FAULT<0>: J11.2(TX_FAULT) U5.F2(SFP_TX_FAULT<0>)
SFP_TX_FAULT<1>: J12.2(TX_FAULT) U5.H3(SFP_TX_FAULT<1>)
SPI_CSN_FROM_FPGA: U3_5.50(B14_L5*) U5.H1(SPI_ACTIVATE)
SPI_SCK_FROM_FPGA: U1_5.96(B14_L4) U5.A6(SCK_FROM_FPGA)
SPI_SDI_FROM_FPGA: U1_5.98(B14_L4*) U5.A4(SDI_TO_FPGA)
SPI_SDO_FROM_ADC: U3_5.48(B14_L5) U5.A5(SDO_FROM_FPGA)
SYNC_3V3: IC10.5(R) U2_5.90(B15_IO0)
SYNC_IN_N: IC10.4(B*) J13.9(A<8>)
SYNC_IN_P: IC10.3(A) J13.7(A<6>)
TCK: J17.6(A<5>) R62.2(B<0>) U2_5.100(TCK) U5.P12(TCK)
TEMP_ALARM_I: IC11.16(T_CRIT_A*) R41.1(A<0>) U5.B2(TEMP_ALARM_I)
TEMP_ALARM_LED_O: LD5.1(A) U5.C4(TEMP_ALARM_LED_O)
TEMP_SCL: IC11.14(SMBCLK) R45.1(A<0>)
TEMP_SDA: IC11.12(SMBD) R43.1(A<0>)
TMS: J17.4(A<3>) R61.2(B<0>) U2_5.94(TMS) U5.N12(TMS)
TRIG_3V3: IC9.5(R) U2_5.99(B15_IO25)
TRIG_IN_N: IC9.4(B*) J13.6(A<5>)
TRIG_IN_P: IC9.3(A) J13.4(A<3>)
UNNAMED_1_LTM9007_I6_DCOA_1: R23_1.2(B<0>) U1_1.G7(DCOA+)
UNNAMED_1_LTM9007_I6_DCOA_1_1: R23_1.1(A<0>) U1_1.G8(DCOA-)
UNNAMED_1_LTM9007_I6_DCOA_1_2: R23_2.1(A<0>) U1_2.G8(DCOA-)
UNNAMED_1_LTM9007_I6_DCOA_1_3: R23_3.1(A<0>) U1_3.G8(DCOA-)
UNNAMED_1_LTM9007_I6_DCOA_1_4: R23_4.1(A<0>) U1_4.G8(DCOA-)
UNNAMED_1_LTM9007_I6_DCOA_1_6: R23_6.1(A<0>) U1_6.G8(DCOA-)
UNNAMED_1_LTM9007_I6_DCOA_1_7: R23_7.1(A<0>) U1_7.G8(DCOA-)
UNNAMED_1_LTM9007_I6_DCOA_1_8: R23_8.1(A<0>) U1_8.G8(DCOA-)
UNNAMED_1_LTM9007_I6_DCOA_1_9: R23_9.1(A<0>) U1_9.G8(DCOA-)
UNNAMED_1_LTM9007_I6_DCOA_2: R23_2.2(B<0>) U1_2.G7(DCOA+)
UNNAMED_1_LTM9007_I6_DCOA_3: R23_3.2(B<0>) U1_3.G7(DCOA+)
UNNAMED_1_LTM9007_I6_DCOA_4: R23_4.2(B<0>) U1_4.G7(DCOA+)
UNNAMED_1_LTM9007_I6_DCOA_6: R23_6.2(B<0>) U1_6.G7(DCOA+)
UNNAMED_1_LTM9007_I6_DCOA_7: R23_7.2(B<0>) U1_7.G7(DCOA+)
UNNAMED_1_LTM9007_I6_DCOA_8: R23_8.2(B<0>) U1_8.G7(DCOA+)
UNNAMED_1_LTM9007_I6_DCOA_9: R23_9.2(B<0>) U1_9.G7(DCOA+)
UNNAMED_1_LTM9007_I6_DCOB_1: R25_1.2(B<0>) U1_1.F9(DCOB+)
UNNAMED_1_LTM9007_I6_DCOB_1_1: R25_1.1(A<0>) U1_1.F10(DCOB-)
UNNAMED_1_LTM9007_I6_DCOB_1_2: R25_2.1(A<0>) U1_2.F10(DCOB-)
UNNAMED_1_LTM9007_I6_DCOB_1_3: R25_3.1(A<0>) U1_3.F10(DCOB-)
UNNAMED_1_LTM9007_I6_DCOB_1_4: R25_4.1(A<0>) U1_4.F10(DCOB-)
UNNAMED_1_LTM9007_I6_DCOB_1_6: R25_6.1(A<0>) U1_6.F10(DCOB-)
UNNAMED_1_LTM9007_I6_DCOB_1_7: R25_7.1(A<0>) U1_7.F10(DCOB-)
UNNAMED_1_LTM9007_I6_DCOB_1_8: R25_8.1(A<0>) U1_8.F10(DCOB-)
UNNAMED_1_LTM9007_I6_DCOB_1_9: R25_9.1(A<0>) U1_9.F10(DCOB-)
UNNAMED_1_LTM9007_I6_DCOB_2: R25_2.2(B<0>) U1_2.F9(DCOB+)
UNNAMED_1_LTM9007_I6_DCOB_3: R25_3.2(B<0>) U1_3.F9(DCOB+)
UNNAMED_1_LTM9007_I6_DCOB_4: R25_4.2(B<0>) U1_4.F9(DCOB+)
UNNAMED_1_LTM9007_I6_DCOB_6: R25_6.2(B<0>) U1_6.F9(DCOB+)
UNNAMED_1_LTM9007_I6_DCOB_7: R25_7.2(B<0>) U1_7.F9(DCOB+)
UNNAMED_1_LTM9007_I6_DCOB_8: R25_8.2(B<0>) U1_8.F9(DCOB+)
UNNAMED_1_LTM9007_I6_DCOB_9: R25_9.2(B<0>) U1_9.F9(DCOB+)
UNNAMED_1_LTM9007_I6_FRA_1: R22_1.1(A<0>) U1_1.H7(FRA-)
UNNAMED_1_LTM9007_I6_FRA_1_1: R22_1.2(B<0>) U1_1.H8(FRA+)
UNNAMED_1_LTM9007_I6_FRA_1_2: R22_2.2(B<0>) U1_2.H8(FRA+)
UNNAMED_1_LTM9007_I6_FRA_1_3: R22_3.2(B<0>) U1_3.H8(FRA+)
UNNAMED_1_LTM9007_I6_FRA_1_4: R22_4.2(B<0>) U1_4.H8(FRA+)
UNNAMED_1_LTM9007_I6_FRA_1_6: R22_6.2(B<0>) U1_6.H8(FRA+)
UNNAMED_1_LTM9007_I6_FRA_1_7: R22_7.2(B<0>) U1_7.H8(FRA+)
UNNAMED_1_LTM9007_I6_FRA_1_8: R22_8.2(B<0>) U1_8.H8(FRA+)
UNNAMED_1_LTM9007_I6_FRA_1_9: R22_9.2(B<0>) U1_9.H8(FRA+)
UNNAMED_1_LTM9007_I6_FRA_2: R22_2.1(A<0>) U1_2.H7(FRA-)
UNNAMED_1_LTM9007_I6_FRA_3: R22_3.1(A<0>) U1_3.H7(FRA-)
UNNAMED_1_LTM9007_I6_FRA_4: R22_4.1(A<0>) U1_4.H7(FRA-)
UNNAMED_1_LTM9007_I6_FRA_6: R22_6.1(A<0>) U1_6.H7(FRA-)
UNNAMED_1_LTM9007_I6_FRA_7: R22_7.1(A<0>) U1_7.H7(FRA-)
UNNAMED_1_LTM9007_I6_FRA_8: R22_8.1(A<0>) U1_8.H7(FRA-)
UNNAMED_1_LTM9007_I6_FRA_9: R22_9.1(A<0>) U1_9.H7(FRA-)
UNNAMED_1_LTM9007_I6_FRB_1: R24_1.1(A<0>) U1_1.J9(FRB-)
UNNAMED_1_LTM9007_I6_FRB_1_1: R24_1.2(B<0>) U1_1.J10(FRB+)
UNNAMED_1_LTM9007_I6_FRB_1_2: R24_2.2(B<0>) U1_2.J10(FRB+)
UNNAMED_1_LTM9007_I6_FRB_1_3: R24_3.2(B<0>) U1_3.J10(FRB+)
UNNAMED_1_LTM9007_I6_FRB_1_4: R24_4.2(B<0>) U1_4.J10(FRB+)
UNNAMED_1_LTM9007_I6_FRB_1_6: R24_6.2(B<0>) U1_6.J10(FRB+)
UNNAMED_1_LTM9007_I6_FRB_1_7: R24_7.2(B<0>) U1_7.J10(FRB+)
UNNAMED_1_LTM9007_I6_FRB_1_8: R24_8.2(B<0>) U1_8.J10(FRB+)
UNNAMED_1_LTM9007_I6_FRB_1_9: R24_9.2(B<0>) U1_9.J10(FRB+)
UNNAMED_1_LTM9007_I6_FRB_2: R24_2.1(A<0>) U1_2.J9(FRB-)
UNNAMED_1_LTM9007_I6_FRB_3: R24_3.1(A<0>) U1_3.J9(FRB-)
UNNAMED_1_LTM9007_I6_FRB_4: R24_4.1(A<0>) U1_4.J9(FRB-)
UNNAMED_1_LTM9007_I6_FRB_6: R24_6.1(A<0>) U1_6.J9(FRB-)
UNNAMED_1_LTM9007_I6_FRB_7: R24_7.1(A<0>) U1_7.J9(FRB-)
UNNAMED_1_LTM9007_I6_FRB_8: R24_8.1(A<0>) U1_8.J9(FRB-)
UNNAMED_1_LTM9007_I6_FRB_9: R24_9.1(A<0>) U1_9.J9(FRB-)
UNNAMED_2_CAPCERSMDCL2_I261_B: C91.2(B<0>) C92.2(B<0>) IC14.2(IN) R66.2(C2<0>)
UNNAMED_2_CON3P_I232_A: J1.1(A<0>) U3_5.31(CLKIN2*)
UNNAMED_2_CON3P_I232_A_1: J1.3(A<2>) U3_5.33(CLKIN2)
UNNAMED_2_CON3P_I258_A: J20.3(A<2>) R66.3(S1<0>)
UNNAMED_2_CON3P_I258_A_1: J20.2(A<1>) R66.4(S2<0>)
UNNAMED_2_CON3P_I274_A: IC14.1(SHDN*) J21.2(A<1>)
UNNAMED_3_CAPCERSMDCL1_I104_A: C19.1(A<0>) IC6.F12(VFB) R19.2(B<0>)
UNNAMED_3_CAPCERSMDCL2_I44_B_10: C16_10.2(B<0>) QZ1_10.4(OUTP) R7_10.2(B<0>)
UNNAMED_3_CAPCERSMDCL2_I45_B_10: C14_10.2(B<0>) QZ1_10.5(OUTN) R4_10.2(B<0>)
UNNAMED_3_CAPCERSMDCL2_I57_B: C5.2(B<0>) C8.2(B<0>) IC4.2(IN) R5.2(C2<0>)
UNNAMED_3_CAPCERSMDCL2_I119_<0>: C9.1(A<0>) C10.2(B<0>) C12.2(B<0>) IC6.A1(VIN<17>) IC6.A2(VIN<16>) IC6.A3(VIN<15>) IC6.A4(VIN<14>) IC6.A5(VIN<13>) IC6.A6(VIN<12>) IC6.B1(VIN<11>) IC6.B2(VIN<10>) IC6.B3(VIN<9>) IC6.B4(VIN<8>) IC6.B5(VIN<7>) IC6.B6(VIN<6>) IC6.C1(VIN<5>) IC6.C2(VIN<4>) IC6.C3(VIN<3>) IC6.C4(VIN<2>) IC6.C5(VIN<1>) IC6.C6(VIN<0>) LC1.1(B)
UNNAMED_3_CAPCERSMDCL2_I122_B: C11.2(B<0>) IC6.A9(TRACK/SS)
UNNAMED_3_CAPCERSMDCL2_I125_<0>: C13.2(B<0>) C16.2(B<0>) IC6.B7(VD<0>) IC6.C7(VD<1>)
UNNAMED_3_CAPCERSMDCL2_I133_B: C6.2(B<0>) J3.3(A<2>) LC1.2(CB)
UNNAMED_3_CAPCERSMDCL2_I134_B: C4.2(B<0>) C7.2(B<0>) IC3.2(IN) R4.2(C2<0>)
UNNAMED_3_CON3P_I83_A: IC7.2(V2) J6.2(A<1>) R20.4(S2<0>)
UNNAMED_3_CON3P_I83_A_1: IC7.1(V1) J6.3(A<2>) R20.3(S1<0>)
UNNAMED_3_CON3P_I173_A: J22.1(A<0>) R7.2(B<0>)
UNNAMED_3_CON3P_I174_A: IC4.1(SHDN*) J23.2(A<1>)
UNNAMED_3_CON3P_I174_A_1: J23.1(A<0>) R9.2(B<0>)
UNNAMED_3_INA219_I143_A0: IC2.7(A0) R8.2(B<0>)
UNNAMED_3_INA219_I143_A1: IC2.8(A1) R6.2(B<0>)
UNNAMED_3_INA219_I148_A0: IC5.7(A0) R15.1(A<0>)
UNNAMED_3_INA219_I148_A1: IC5.8(A1) R14.2(B<0>)
UNNAMED_3_LT1764A_I84_IN: C22.2(B<0>) C24.2(B<0>) IC8.2(IN) R20.2(C2<0>) R21.1(A<0>)
UNNAMED_3_LT1764A_I84_SHDN: IC8.1(SHDN*) R21.2(B<0>)
UNNAMED_3_LT1764A_I92_SHDN: IC3.1(SHDN*) J22.2(A<1>)
UNNAMED_3_LTC2990_I147_ADR0: IC7.8(ADR0) R17.1(A<0>)
UNNAMED_3_LTC2990_I147_ADR1: IC7.9(ADR1) R16.1(A<0>)
UNNAMED_3_LTM4606_I115_DRVCC<0>: IC6.A7(INTVCC) IC6.C10(DRVCC<0>) IC6.E11(DRVCC<1>) IC6.E12(DRVCC<2>)
UNNAMED_3_LTM4606_I115_FSET: IC6.B12(FSET) R10.2(B<0>) R11.1(A<0>)
UNNAMED_3_LTM4606_I115_MPGM1: IC6.A12(MPGM1) IC6.B11(MPGM2) R18.2(B<0>)
UNNAMED_3_LTM4606_I115_PGOOD: IC6.G12(PGOOD) R12.2(B<0>)
UNNAMED_3_LTM4606_I115_RUN1: IC6.A10(RUN1) IC6.B9(RUN2) R13.2(B<0>)
UNNAMED_3_OSC6PENDISOUTPOUTN_10: QZ1_10.1(ENDIS) R1_10.1(A<0>)
UNNAMED_3_RSMD0603_I57_B_10: IC1_10.39(I2C_SEL) R19_10.2(B<0>)
UNNAMED_3_RSMD0603_I58_B_10: IC1_10.11(OE*) R18_10.2(B<0>)
UNNAMED_3_RSMD0603_I60_B_10: IC1_10.48(FINC) R12_10.2(B<0>)
UNNAMED_3_RSMD0603_I62_B_10: IC1_10.25(FDEC) R15_10.2(B<0>)
UNNAMED_3_RSMD0603_I64_B_10: IC1_10.3(IN_SEL0) R17_10.2(B<0>)
UNNAMED_3_RSMD0603_I65_B_10: IC1_10.4(IN_SEL1) R20_10.2(B<0>)
UNNAMED_3_RSMD0603_I68_B_10: IC1_10.19(A0/CS) R16_10.2(B<0>)
UNNAMED_3_RSMD0603_I69_B_10: IC1_10.17(A1/SDO) R13_10.2(B<0>)
UNNAMED_5_LP38692_I130_EN: R64.1(A<0>) U7.1(EN)
UNNAMED_7_CAPCERSMDCL2_I3_A: C34.1(A<0>) J10.6(A<5>)
UNNAMED_7_CAPCERSMDCL2_I5_A: C37.1(A<0>) J10.5(A<4>)
UNNAMED_7_CAPCERSMDCL2_I11_A: C33.1(A<0>) J9.3(A<2>)
UNNAMED_7_CAPCERSMDCL2_I12_A: C36.1(A<0>) J9.2(A<1>)
UNNAMED_7_CAPCERSMDCL2_I16_B: C39.2(B<0>) C41.2(B<0>) J11.16(VCCT) L4.1(A<0>)
UNNAMED_7_CAPCERSMDCL2_I17_B: C32.2(B<0>) C35.2(B<0>) C38.2(B<0>) J11.15(VCCR) L2.2(B<0>)
UNNAMED_7_CAPCERSMDCL2_I27_B: C46.2(B<0>) C47.2(B<0>) J12.16(VCCT) L5.1(A<0>)
UNNAMED_7_CAPCERSMDCL2_I31_B: C43.2(B<0>) C44.2(B<0>) C45.2(B<0>) J12.15(VCCR) L3.2(B<0>)
UNNAMED_8_LED_I105_K: LD4.2(K) RN1.8(B<0>)
UNNAMED_8_LED_I107_K: LD3.2(K) RN1.7(B<0>)
UNNAMED_8_LED_I108_K: LD2.2(K) RN1.6(B<0>)
UNNAMED_8_LED_I285_K: LD7.2(K) R34.2(B<0>)
UNNAMED_8_LED_I288_K: LD6.2(K) R33.2(B<0>)
UNNAMED_8_LED_I293_K: LD5.2(K) R32.2(B<0>)
UNNAMED_11_24AA025E48_I159_A0: IC12.1(A0) R46.1(A<0>)
UNNAMED_11_24AA025E48_I159_A1: IC12.2(A1) R44.1(A<0>)
UNNAMED_11_24AA025E48_I159_A2: IC12.3(A2) R42.1(A<0>)
UNNAMED_11_CON2P_I154_A: IC11.4(DM) J14.1(A<0>)
UNNAMED_11_CON2P_I154_A_1: IC11.3(DP) J14.2(A<1>)
UNNAMED_11_LM82_I138_ADD: IC11.10(ADD<0>) R38.1(A<0>)
UNNAMED_11_LM82_I138_ADD_1: IC11.6(ADD<1>) R37.1(A<0>)
UNNAMED_11_LP38692_I193_EN: R35.1(A<0>) U3.1(EN)
UNNAMED_11_LP38692SD_I128_EN: R47.1(A<0>) U4.3(EN)
UNNAMED_11_RSMD0603_I137_A: R39.1(A<0>) SW3.2(A)
UNNAMED_15_DS90C032_I246_EN: IC13.4(EN) R60.1(A<0>) SW4.2(B<0>) SW4.4(B<0>)
UNNAMED_15_DS90C032_I246_EN_1: IC13.12(EN*) R59.2(B<0>)
UNNAMED_15_DS90C032_I246_ROUT: IC13.5(ROUT<0>) R62.1(A<0>)
UNNAMED_15_DS90C032_I246_ROUT_1: IC13.3(ROUT<0>) R61.1(A<0>)
UNNAMED_15_DS90C032_I246_ROUT_2: IC13.11(ROUT<0>) R63.1(A<0>)
VMON2V5A: IC5.1(VIN+) J5.3(A<2>) R5.3(S1<0>)
VMON2V5B: IC5.2(VIN-) J5.2(A<1>) R5.4(S2<0>)
VMON3V3A: IC2.1(VIN+) J4.3(A<2>) R4.3(S1<0>)
VMON3V3B: IC2.2(VIN-) J4.2(A<1>) R4.4(S2<0>)
XA_10: C16_10.1(A<0>) IC1_10.8(XA) J2_10.3(A<2>) R8_10.2(B<0>)
XB_10: C14_10.1(A<0>) IC1_10.9(XB) J2_10.2(A<1>) R8_10.1(A<0>)

Pads without a net: IC1 1; IC1_10 1 2 5 7 10 14 15 20 21 55 56; IC6 A8 A11 C11 C12 D11 D12 J12 K12 L12; IC11 1 5 9 11 13 15; IC12 7; J7 1 2; J8 1 2; J13 13 14 15 16 17 18 19; J15 1 2 B26; J16 1 2; J17 1 12 13 14; J18 13 14 17 18 19; J19 5 6; NOREF#11 1; NOREF#13 1; NOREF#23 1; NOREF#24 1; NOREF#37 1; NOREF#46 1; QZ1 1; QZ1_10 2; RN1 5; SFP1 NC; SFP2 NC; SFP3 NC; SFP4 NC; U1_1 B3 B6 C7 C8 D7 D8 E9 E10 F3 F7 F8 J3 K7 K8 L9 L10 M9 M10 N3 N8 P8; U1_2 B3 B6 C7 C8 D7 D8 E9 E10 F3 F7 F8 J3 K7 K8 L9 L10 M9 M10 N3 N8 P8; U1_3 B3 B6 C7 C8 D7 D8 E9 E10 F3 F7 F8 J3 K7 K8 L9 L10 M9 M10 N3 N8 P8; U1_4 B3 B6 C7 C8 D7 D8 E9 E10 F3 F7 F8 J3 K7 K8 L9 L10 M9 M10 N3 N8 P8; U1_5 3 5 9 11 80 101 102; U1_6 B3 B6 C7 C8 D7 D8 E9 E10 F3 F7 F8 J3 K7 K8 L9 L10 M9 M10 N3 N8 P8; U1_7 B3 B6 C7 C8 D7 D8 E9 E10 F3 F7 F8 J3 K7 K8 L9 L10 M9 M10 N3 N8 P8; U1_8 B3 B6 C7 C8 D7 D8 E9 E10 F3 F7 F8 J3 K7 K8 L9 L10 M9 M10 N3 N8 P8; U1_9 B3 B6 C7 C8 D7 D8 E9 E10 F3 F7 F8 J3 K7 K8 L9 L10 M9 M10 N3 N8 P8; U2_5 6 30 101 102; U3_5 55 56 61 62; U5 A1 C2 C5 C6 C8 C9 C10 C11 C12 C13 C14 C15 D1 D4 D6 D7 D8 D9 D10 D11 D13 D14 D16 E1 E4 E5 E6 E7 E8 E9 E10 E11 E12 E13 F1 F5 F12 F13 G1 G2 G4 G5 G11 G12 G13 H4 H5 H12 H13 J4 J5 J12 J13 J16 K4 K5 K12 L3 L4 L5 L12 L13 L14 M2 M3 M4 M5 M6 M7 M8 M9 M10 M11 M12 M13 M14 N3 N4 N5 N6 N7 N8 N9 N10 N11 N13 N14 P2 P4 P6 P7 P8 P9 P10 P11 P13 P14 T2 T9 T11 T12 T13 T14